# Altium PCB motordriver-v5.1.PcbDoc (part 8 of 8)
Units mil, origin at the board's own origin, x right, y up, seen from the top; angles counter-clockwise.
Board outline 4531.01 x 6141.73 mil, 6 copper layers (Top Copper, GND Layer 1, Signal Layer 1, Signal Layer 2, PWR Layer, Bottom Copper), stack 58.2 mil thick; 748 components, 531 nets, 2475 pads, 1059 vias.
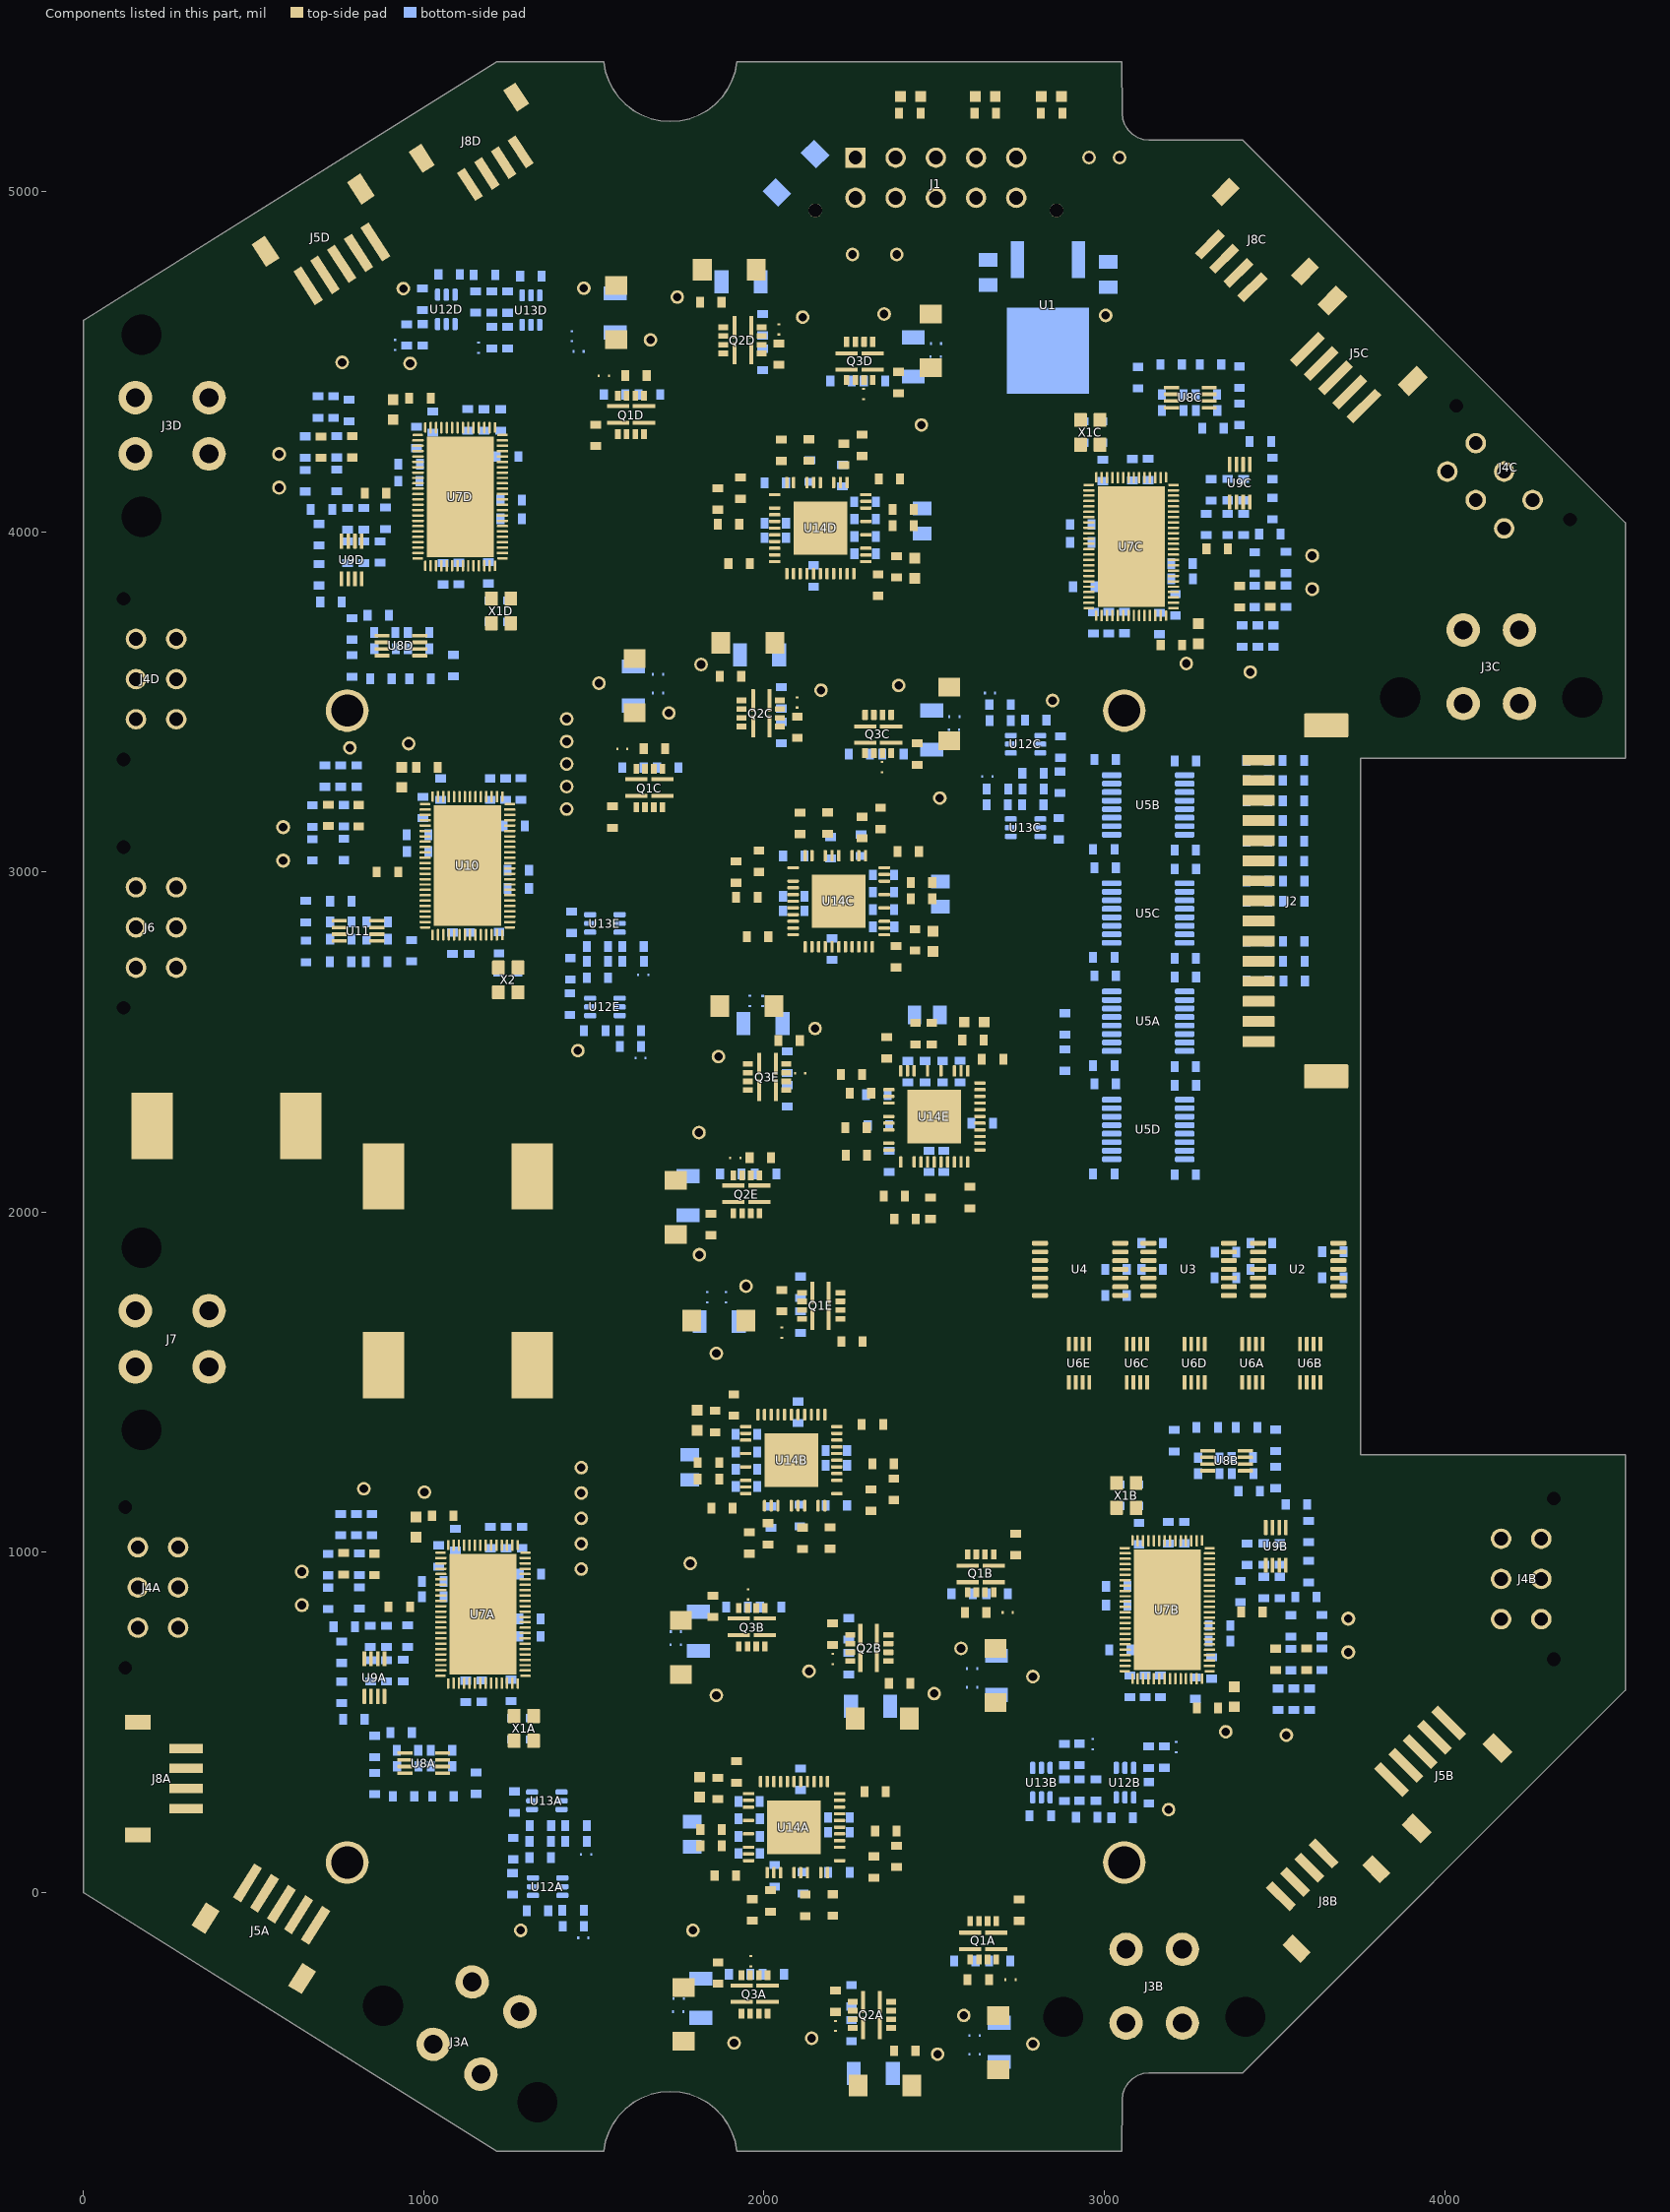
[diagram p12: the components of this part, seen from the top]

## Polygon pours and split planes (outlines as drawn) (continued)
5V on PWR Layer (split plane): 3409.9,885 3410.29,883.05 3411.4,881.4 3424.9,867.89 3424.9,755.1 3392.11,755.1 3390.1,757.11 3390.1,875 3389.71,876.95 3388.6,878.6 3386.95,879.71 3385,880.1 3355.1,880.1 3355.1,1124.9 3409.9,1124.9
5V on PWR Layer (split plane): 3319.9,4207.89 3319.9,3890.1 3287.11,3890.1 3280.1,3897.11 3280.1,3965 3279.71,3966.95 3278.6,3968.6 3245.1,4002.11 3245.1,4249.9 3277.89,4249.9
JETSON_3V3 on PWR Layer (split plane): 3594.91,2080.09 3165.09,2080.09 3165.09,3384.91 3594.91,3384.91
GND on GND Layer 1 (split plane): 256 vertices, not listed, extent 22.01,-738.18 4510.9,5360.11
PGND on GND Layer 1 (split plane): 2525,4339.89 2533.96,4339.89 2534.08,4339.27 2534.52,4338.61 2535.17,4338.18 2535.94,4338.03 2654.03,4338.03 2654.03,2913.95 2654.19,2913.18 2654.62,2912.53 2655.27,2912.09 2656.04,2911.94 2798.02,2911.94 2798.02,1450 2798.17,1449.23 2798.61,1448.58 2799.26,1448.15 2800.03,1447.99 2866.04,1447.99 2866.04,-737.99 1936.77,-737.99 1934.98,-728.22 1934.57,-726.81 1934.24,-725.38 1924.99,-698.17 1924.38,-696.84 1923.85,-695.48 1910.74,-669.89 1909.94,-668.65 1909.2,-667.37 1892.47,-643.94 1891.5,-642.83 1890.59,-641.68 1870.62,-620.97 1869.51,-620.02 1868.45,-619.02 1845.69,-601.42 1844.44,-600.63 1843.23,-599.79 1818.15,-585.73 1816.81,-585.15 1815.5,-584.49 1788.65,-574.22 1787.24,-573.83 1785.84,-573.37 1757.77,-567.11 1756.32,-566.93 1754.88,-566.68 1726.18,-564.56 1724.7,-564.59 1723.21,-564.56 1694.55,-566.68 1693.11,-566.93 1691.66,-567.11 1663.59,-573.37 1662.2,-573.83 1660.79,-574.21 1633.9,-584.49 1632.59,-585.15 1631.24,-585.74 1606.2,-599.79 1604.99,-600.64 1603.74,-601.42 1580.99,-619.02 1579.93,-620.02 1578.81,-620.97 1558.85,-641.68 1557.94,-642.83 1556.97,-643.94 1540.23,-667.37 1539.5,-668.65 1538.7,-669.89 1525.59,-695.48 1525.06,-696.84 1524.45,-698.17 1515.2,-725.38 1514.87,-726.81 1514.46,-728.22 1512.67,-737.99 1434.55,-737.99 1435.45,4945.64 1922.39,4945.64 1926.94,4950.2 1929.74,4950.2 1930.5,4950.35 1931.16,4950.78 2130.11,5149.74 2525,5149.74
JETSON_GND on GND Layer 1 (split plane): 3594.91,2080.09 3165.09,2080.09 3165.09,3384.91 3594.91,3384.91

## Other copper
Top Copper:
  pour cut-out: 2952.78,-447.58 3344.99,-447.58 3344.99,-72.58 2953.22,-72.58
  pour cut-out: 1214.07,-649 1411.49,-336.51 1098.18,-139.82 902.96,-449.04
  pour cut-out: 4329.2,3813.25 3936.99,3813.25 3936.99,3438.25 4328.76,3438.25
  pour cut-out: 470.2,4478.07 77.99,4478.07 77.99,4103.07 469.76,4103.07
  pour cut-out: 470.2,1794.07 77.99,1794.07 77.99,1419.07 469.76,1419.07
Bottom Copper:
  pour cut-out: 2952.78,-447.58 3344.99,-447.58 3344.99,-72.58 2953.22,-72.58
  pour cut-out: 1214.07,-649 1411.49,-336.51 1098.18,-139.82 902.96,-449.04
  pour cut-out: 4329.2,3813.25 3936.99,3813.25 3936.99,3438.25 4328.76,3438.25
  pour cut-out: 470.2,4478.07 77.99,4478.07 77.99,4103.07 469.76,4103.07
  pour cut-out: 470.2,1794.07 77.99,1794.07 77.99,1419.07 469.76,1419.07
GND Layer 1 (plane layer: these items are gaps in the copper):
  region: 1399.06,4975 1399.06,-175 1377.76,-175 1377.76,-744.36 1434.55,-744.36 1435.45,4945.64 1922.39,4945.64 2128.37,5151.62 2525,5151.62 2525,4339.89 2656,4339.89 2656,2914.07 2799.72,2914.07 2799.72,1450 2868,1450 2868,-744.36 2918.38,-744.36 2918.38,165.64 2904.96,165.64 2904.96,1515 2829.96,1515 2829.96,2960 2699.96,2960 2699.96,4385 2564.96,4385 2564.96,5190 2111.91,5190 1901.53,4975
  lines w3.94: 1378.72,-175 1378.72,-740.19 1220,-740 20,10 20,4610 1219.81,5362.12 3197.88,5362.12 4530,4030 4530,595 3195,-740 2918.42,-740 2918.42,160 2905,160 ; 1400,-45 1400,4975 1900,4975 2115,5190 2565,5190 2565,4385 2700,4385 2700,2960 2830,2960 2830,1515 2905,1515 ; 1399.06,-175 1399.06,-175 ; 1420,-740.19 1420.19,-740 2868.05,-740 2868.05,1450 2800.03,1450 2800.03,2913.95 2656.04,2913.95 2656.04,4340.03 2535.94,4340.03 2535.94,5151.75 2129.28,5151.75 1929.74,4952.2 1420,4952.2 1420,-740.19
  lines w20: 3155,2070 3155,3395 3605,3395 3605,2070 3155,2070
PWR Layer (plane layer: these items are gaps in the copper):
  region: 1399.06,4975 1399.06,-175 1377.76,-175 1377.76,-744.36 1434.55,-744.36 1435.45,4945.64 1922.39,4945.64 2128.37,5151.62 2535.89,5151.62 2535.89,4339.89 2656,4339.89 2656,2914.07 2799.72,2914.07 2799.72,1450 2868,1450 2868,-744.36 2918.38,-744.36 2918.38,165.64 2904.96,165.64 2904.96,1515 2829.96,1515 2829.96,2960 2699.96,2960 2699.96,4385 2564.96,4385 2564.96,5190 2111.91,5190 1901.53,4975
  lines w10: 1399.06,-175 1350,-175 1350,5010 1865,5010 2080,5225 2610,5225 2610,5160 2795,5160 2795,5050 2685,5050 2685,4900 2610,4900 2610,4430 2735,4430 2735,3005 2862.86,3005 2862.86,1560 2950,1560 2950,1015 3005,1015 3005,945 2950,945 2950,165 2905,165 2905,1515 ; 1400,-175 1400,4975 1900,4975 2115,5190 2565,5190 2565,4385 2700,4385 2700,2960 2830,2960 2830,1515 2905,1515 ; 2905,160 2905,1515 ; 925,905 925,615 945,595 945,545 970,520 995,520 1010,535 1010,680 975,680 975,905 ; 925,905 975,905 ; 925,905 975,905 ; 880,3770 880,4047.05 952.95,4120 985,4120 985,3770 880,3770 ; 3240,4000 3240,4255 3280,4255 3325,4210 3325,3885 3285,3885 3275,3895 3275,3965 3240,4000 ; 3350,875 3385,875 3385,755 3390,750 3430,750 3430,870 3415,885 3415,1130 3350,1130 3350,875
  lines w20: 3155,2070 3155,3395 3605,3395 3605,2070 3155,2070
Multi-Layer:
  pour cut-out: 3113.99,2100 3155,2100 3155,3300 3113.99,3300

## Silkscreen, mask and mechanical layers (free items; w line width, h text height)
Top Overlay:
  text "VCC" at 2386,5316 h30
  text "5V" at 2626,5316 h30
  text "VDD" at 2801,5316 h30
Bottom Overlay:
  drawing of 12 lines, arcs and shapes, not listed
  text "UBC Thunderbots / Motor Driver / Board V5.1 / Henry Bryant / Francesca Crema / Willem Van Dam" at 1340,2440 h60 r90
Mechanical 1:
  the board outline again, w7.87